# Allegro board pc065a_toplevel_49_modvia.brd (continued)
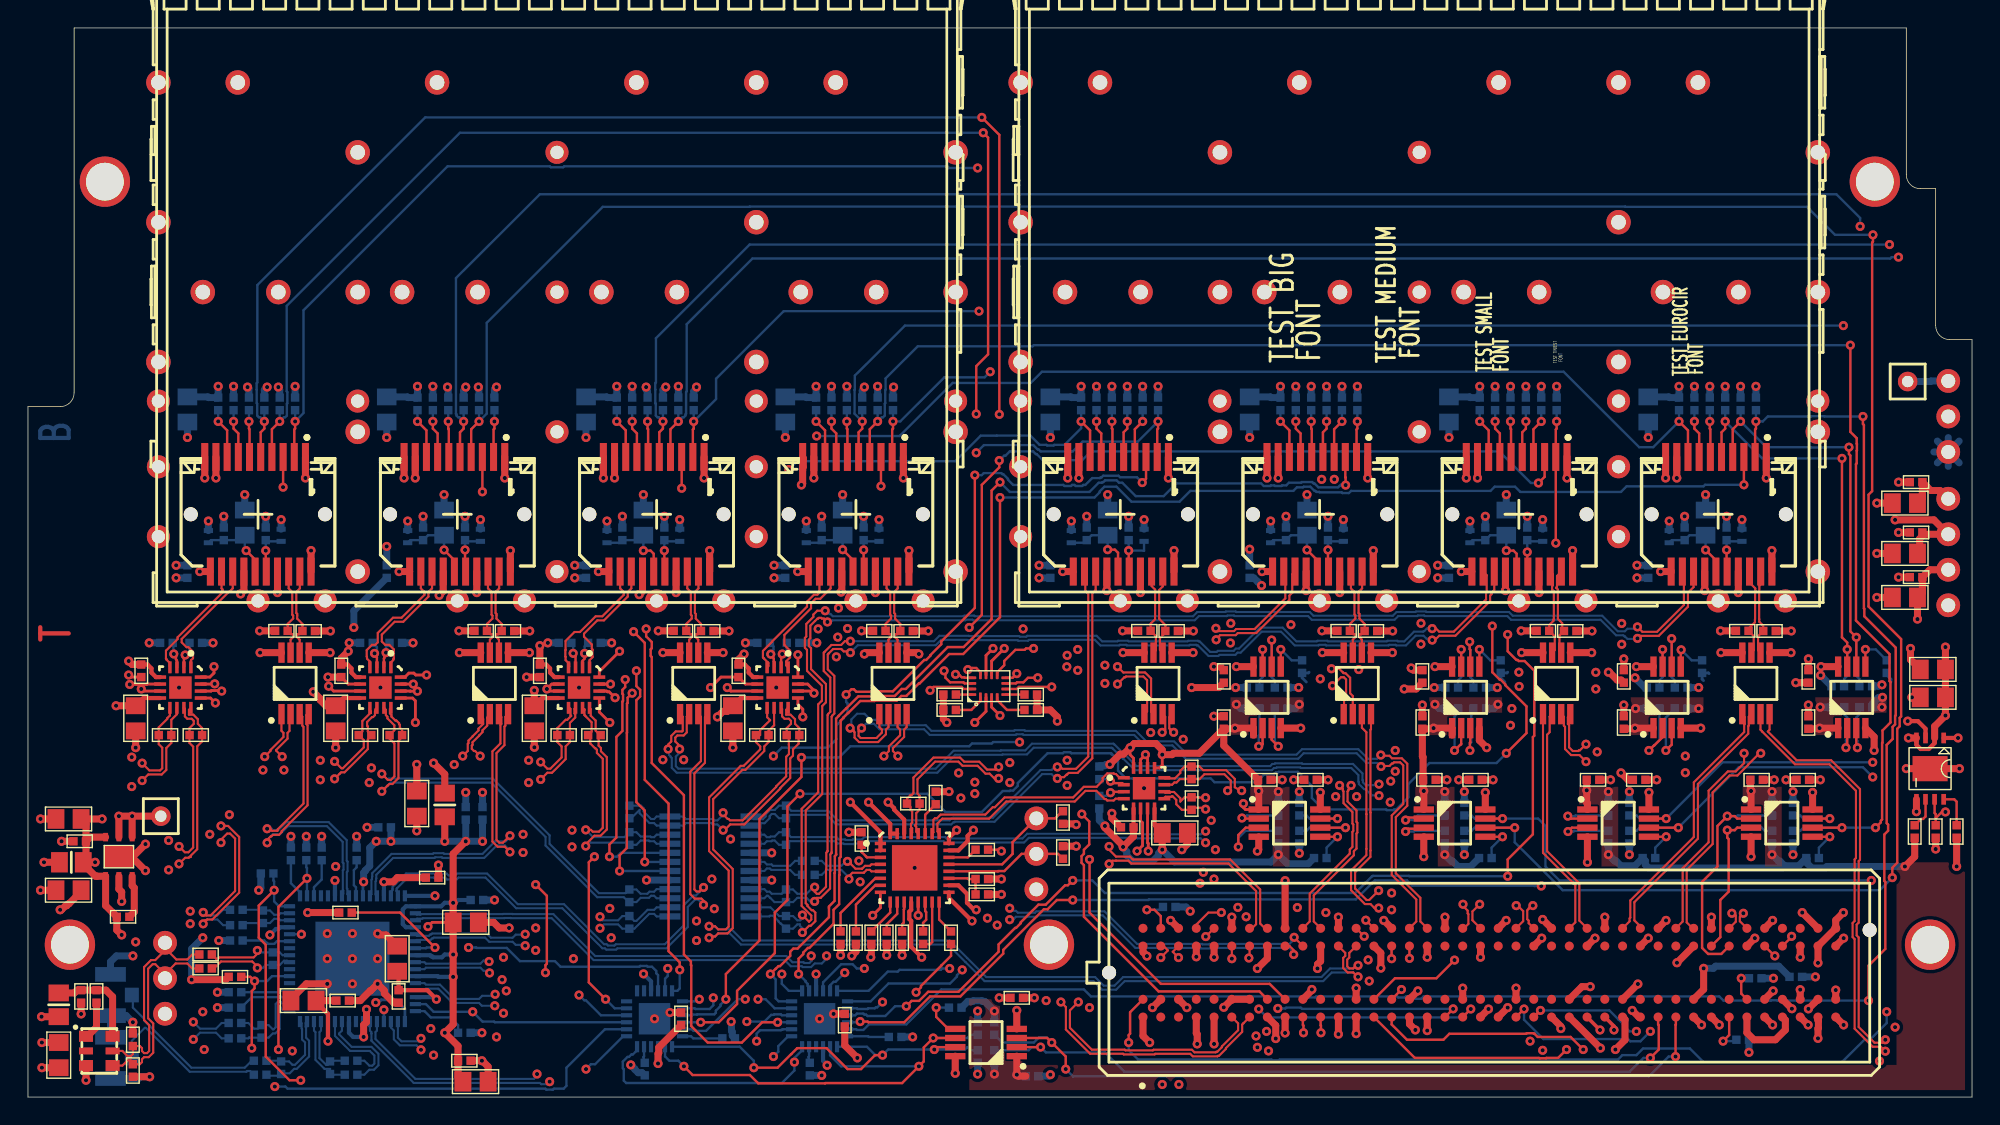
[diagram p0: board, top side]
## Library data of the parts
C1 C36 C38 C97 C98 = CAPCERSMDCL2: part number: CAPCERSMDCL2_0402-100NF_X7R,16V; tolerance: 10%
C2 C37 C39 = CAPCERSMDCL2: part number: CAPCERSMDCL2_0805-10UF,10V_GEN; tolerance: 10%
C3 C4 C6 C12 C16 C17 = CAPCERSMDCL2: part number: CAPCERSMDCL2_0805-10UF,10V_GEN; tolerance: 10%; room: CLOCK_MODULE
C5 C7 C9-C11 C13-C15 C18 C20-C30 = CAPCERSMDCL2: part number: CAPCERSMDCL2_0402-100NF_X7R,16V; tolerance: 10%; room: CLOCK_MODULE
C8 C19 = CAPCERSMDCL2: part number: CAPCERSMDCL2_0805-22UF,6.3V; tolerance: 15%; room: CLOCK_MODULE
C31 C33 C35 = CAPCERSMDCL2: part number: CAPCERSMDCL2_0402-100NF_X7R,16V; tolerance: 10%; room: SFP_0
C32 C34 = CAPCERSMDCL2: part number: CAPCERSMDCL2_0805-10UF,10V_GEN; tolerance: 10%; room: SFP_0
C40 C42 C44 = CAPCERSMDCL2: part number: CAPCERSMDCL2_0402-100NF_X7R,16V; tolerance: 10%; room: SFP_1
C41 C43 = CAPCERSMDCL2: part number: CAPCERSMDCL2_0805-10UF,10V_GEN; tolerance: 10%; room: SFP_1
C45 C47 C49 = CAPCERSMDCL2: part number: CAPCERSMDCL2_0402-100NF_X7R,16V; tolerance: 10%; room: SFP_2
C46 C48 = CAPCERSMDCL2: part number: CAPCERSMDCL2_0805-10UF,10V_GEN; tolerance: 10%; room: SFP_2
C50 C52 C54 = CAPCERSMDCL2: part number: CAPCERSMDCL2_0402-100NF_X7R,16V; tolerance: 10%; room: SFP_3
C51 C53 = CAPCERSMDCL2: part number: CAPCERSMDCL2_0805-10UF,10V_GEN; tolerance: 10%; room: SFP_3
C55 C56 = CAPCERSMDCL2: part number: CAPCERSMDCL2_0402-1UF,10V; tolerance: 10%; room: CDR
C57 = CAPCERSMDCL2: part number: CAPCERSMDCL2_0402-100NF_X7R,16V; tolerance: 10%; room: CDR
C58 = CAPCERSMDCL2: part number: CAPCERSMDCL2_0402-470NF,6.3V_GEN; tolerance: 10%; room: CDR
C59 C61 C63 = CAPCERSMDCL2: part number: CAPCERSMDCL2_0402-100NF_X7R,16V; tolerance: 10%; room: SFP_7
C60 C62 = CAPCERSMDCL2: part number: CAPCERSMDCL2_0805-10UF,10V_GEN; tolerance: 10%; room: SFP_7
C64 C66 C68 = CAPCERSMDCL2: part number: CAPCERSMDCL2_0402-100NF_X7R,16V; tolerance: 10%; room: SFP_6
C65 C67 = CAPCERSMDCL2: part number: CAPCERSMDCL2_0805-10UF,10V_GEN; tolerance: 10%; room: SFP_6
C69 C71 C73 = CAPCERSMDCL2: part number: CAPCERSMDCL2_0402-100NF_X7R,16V; tolerance: 10%; room: SFP_5
C70 C72 = CAPCERSMDCL2: part number: CAPCERSMDCL2_0805-10UF,10V_GEN; tolerance: 10%; room: SFP_5
C74 C76 C78 = CAPCERSMDCL2: part number: CAPCERSMDCL2_0402-100NF_X7R,16V; tolerance: 10%; room: SFP_4
C75 C77 = CAPCERSMDCL2: part number: CAPCERSMDCL2_0805-10UF,10V_GEN; tolerance: 10%; room: SFP_4
C79 C80 = CAPCERSMDCL2: part number: CAPCERSMDCL2_0402-100NF_X7R,16V; tolerance: 10%; room: I2C_TR_GEN
C81 C82 = CAPCERSMDCL2: part number: CAPCERSMDCL2_0402-100NF_X7R,16V; tolerance: 10%; room: I2C_TR_1
C83 C84 = CAPCERSMDCL2: part number: CAPCERSMDCL2_0402-100NF_X7R,16V; tolerance: 10%; room: I2C_TR_2
C85 C86 = CAPCERSMDCL2: part number: CAPCERSMDCL2_0402-100NF_X7R,16V; tolerance: 10%; room: I2C_TR_3
C87 C88 = CAPCERSMDCL2: part number: CAPCERSMDCL2_0402-100NF_X7R,16V; tolerance: 10%; room: I2C_TR_4
C89 C90 = CAPCERSMDCL2: part number: CAPCERSMDCL2_0402-100NF_X7R,16V; tolerance: 10%; room: I2C_TR_5
C91 C92 = CAPCERSMDCL2: part number: CAPCERSMDCL2_0402-100NF_X7R,16V; tolerance: 10%; room: I2C_TR_6
C93 C94 = CAPCERSMDCL2: part number: CAPCERSMDCL2_0402-100NF_X7R,16V; tolerance: 10%; room: I2C_TR_7
C95 C96 = CAPCERSMDCL2: part number: CAPCERSMDCL2_0402-100NF_X7R,16V; tolerance: 10%; room: I2C_TR_8
C99 C100 = CAPCERSMDCL2: part number: CAPCERSMDCL2_0805-10UF,10V_GEN; tolerance: 10%; room: P1V3_REG
C101 = CAPCERSMDCL2: part number: CAPCERSMDCL2_0402-100NF_X7R,16V; tolerance: 10%; room: P1V3_REG
C102 = CAPCERSMDCL2: part number: CAPCERSMDCL2_0402-100NF_X7R,16V; tolerance: 10%; room: BUFF_0
C103 = CAPCERSMDCL2: part number: CAPCERSMDCL2_0805-10UF,10V_GEN; tolerance: 10%; room: BUFF_0
C104 = CAPCERSMDCL2: part number: CAPCERSMDCL2_0402-100NF_X7R,16V; tolerance: 10%; room: BUFF_1
C105 = CAPCERSMDCL2: part number: CAPCERSMDCL2_0805-10UF,10V_GEN; tolerance: 10%; room: BUFF_1
C106 = CAPCERSMDCL2: part number: CAPCERSMDCL2_0402-100NF_X7R,16V; tolerance: 10%; room: BUFF_2
C107 = CAPCERSMDCL2: part number: CAPCERSMDCL2_0805-10UF,10V_GEN; tolerance: 10%; room: BUFF_2
C108 = CAPCERSMDCL2: part number: CAPCERSMDCL2_0402-100NF_X7R,16V; tolerance: 10%; room: BUFF_3
C109 = CAPCERSMDCL2: part number: CAPCERSMDCL2_0805-10UF,10V_GEN; tolerance: 10%; room: BUFF_3
C110 = CAPCERSMDCL2: part number: CAPCERSMDCL2_0402-100NF_X7R,16V; tolerance: 10%; room: BUF_CDR
C111 = CAPCERSMDCL2: part number: CAPCERSMDCL2_0805-10UF,10V_GEN; tolerance: 10%; room: BUF_CDR
IC3 = SI5395: part number: SI5395A-A-GM; room: CLOCK_MODULE
IC4 = SY58608U: part number: SY58608UMG; room: BUFF_0
IC5 = SY58608U: part number: SY58608UMG; room: BUFF_1
IC6 = SY58608U: part number: SY58608UMG; room: BUFF_2
IC7 = SY58608U: part number: SY58608UMG; room: BUFF_3
IC8 = 854S058I: part number: 854S058AGILF; room: CDR
IC9 = ADN2814: part number: ADN2814ACPZ; room: CDR
IC10 IC23 = TCA9539: part number: TCA9539AHF
IC11 = TCA9803: part number: TCA9803DGKR; room: I2C_TR_GEN
IC12 = TCA9803: part number: TCA9803DGKR; room: I2C_TR_1
IC13 = SY58608U: part number: SY58608UMG; room: BUF_CDR
IC14 = TCA9803: part number: TCA9803DGKR; room: I2C_TR_2
IC15 = TCA9803: part number: TCA9803DGKR; room: I2C_TR_3
IC16 = TCA9803: part number: TCA9803DGKR; room: I2C_TR_4
IC17 = TCA9803: part number: TCA9803DGKR; room: I2C_TR_5
IC18 = TCA9803: part number: TCA9803DGKR; room: I2C_TR_6
IC19 = TCA9803: part number: TCA9803DGKR; room: I2C_TR_7
IC20 = TCA9803: part number: TCA9803DGKR; room: I2C_TR_8
IC21 = 74AVC4T245_BRIS: part number: SN74AVC4T245RSVR_BRIS
J1 J39 = CON3P: part number: CON3P-MTLW-103-07-L-S-250
J5 = CON3P: part number: CON3P-MTLW-103-07-L-S-250; room: CLOCK_MODULE
J7 = CON20P_SFP: part number: CON20P_SFP-1888247-1; room: SFP_0
J10 = CON160P_40CDGH: part number: ASP-134606-01
J12 = CON20P_SFP: part number: CON20P_SFP-1888247-1; room: SFP_1
J16 = CON20P_SFP: part number: CON20P_SFP-1888247-1; room: SFP_2
J20 = CON20P_SFP: part number: CON20P_SFP-1888247-1; room: SFP_3
J24 = CON20P_SFP: part number: CON20P_SFP-1888247-1; room: SFP_7
J28 = CON20P_SFP: part number: CON20P_SFP-1888247-1; room: SFP_6
J32 = CON20P_SFP: part number: CON20P_SFP-1888247-1; room: SFP_5
J36 = CON20P_SFP: part number: CON20P_SFP-1888247-1; room: SFP_4
J40 = CON4P: part number: CON4P-MTLW-104-07-L-S-250
L1-L3 = INDUCTANCE: part number: INDUCTANCE_0805-0.10UH; tolerance: 20%; room: CLOCK_MODULE
L4 L5 = INDUCTANCE: part number: INDUCTANCE_0402HP-4.7NH_2%; tolerance: 2%; room: SFP_0
L6 L7 = INDUCTANCE: part number: INDUCTANCE_0402HP-4.7NH_2%; tolerance: 2%; room: SFP_1
L8 L9 = INDUCTANCE: part number: INDUCTANCE_0402HP-4.7NH_2%; tolerance: 2%; room: SFP_2
L10 L11 = INDUCTANCE: part number: INDUCTANCE_0402HP-4.7NH_2%; tolerance: 2%; room: SFP_3
L12 L13 = INDUCTANCE: part number: INDUCTANCE_0402HP-4.7NH_2%; tolerance: 2%; room: SFP_7
L14 L15 = INDUCTANCE: part number: INDUCTANCE_0402HP-4.7NH_2%; tolerance: 2%; room: SFP_6
L16 L17 = INDUCTANCE: part number: INDUCTANCE_0402HP-4.7NH_2%; tolerance: 2%; room: SFP_5
L18 L19 = INDUCTANCE: part number: INDUCTANCE_0402HP-4.7NH_2%; tolerance: 2%; room: SFP_4
PX1 PX2 = PCOAX: part number: PCOAX-U.FL-R-SMT-1(10)
QZ1 = DSC1123CI5: part number: DSC1123CI5-50.0000; room: CLOCK_MODULE
R2 R3 R6 R9-R12 R20 R21 = RSMD0402: part number: RSMD0402_1/16W-4.7K,1%; tolerance: 1%; room: CLOCK_MODULE
R4 R5 R7 R8 R18 R19 = RSMD0402: part number: RSMD0402_0.0625W-XX,1%; tolerance: 1%; room: CLOCK_MODULE
R13-R17 = RSMD0402: part number: RSMD0402_1/16W-100,1%; tolerance: 1%; room: CLOCK_MODULE
R22 R23 = RSMD0402: part number: RSMD0402_1/16W-51,1%; tolerance: 1%; room: SFP_0
R24-R29 = RSMD0402: part number: RSMD0402_1/16W-4.7K,1%; tolerance: 1%; room: SFP_0
R30-R32 R176-R181 R184 R185 = RSMD0402: part number: RSMD0402_1/16W-0R0,1%; tolerance: 1%
R33 R93 R94 = RSMD0402: part number: RSMD0402_0.0625W-XX,1%; tolerance: 1%
R34 R35 = RSMD0402: part number: RSMD0402_1/16W-51,1%; tolerance: 1%; room: SFP_1
R36-R41 = RSMD0402: part number: RSMD0402_1/16W-4.7K,1%; tolerance: 1%; room: SFP_1
R42 R43 = RSMD0402: part number: RSMD0402_1/16W-51,1%; tolerance: 1%; room: SFP_2
R44-R49 = RSMD0402: part number: RSMD0402_1/16W-4.7K,1%; tolerance: 1%; room: SFP_2
R50 R51 = RSMD0402: part number: RSMD0402_1/16W-51,1%; tolerance: 1%; room: SFP_3
R52-R57 = RSMD0402: part number: RSMD0402_1/16W-4.7K,1%; tolerance: 1%; room: SFP_3
R58 R59 = RSMD0402: part number: RSMD0402_0.0625W-XX,1%; tolerance: 1%; room: BUFF_0
R60 R61 = RSMD0402: part number: RSMD0402_1/16W-100,1%; tolerance: 1%; room: BUFF_0
R62 R63 = RSMD0402: part number: RSMD0402_0.0625W-XX,1%; tolerance: 1%; room: BUFF_1
R64 R65 = RSMD0402: part number: RSMD0402_1/16W-100,1%; tolerance: 1%; room: BUFF_1
R66 R67 = RSMD0402: part number: RSMD0402_0.0625W-XX,1%; tolerance: 1%; room: BUFF_2
R68 R69 = RSMD0402: part number: RSMD0402_1/16W-100,1%; tolerance: 1%; room: BUFF_2
R70 R71 = RSMD0402: part number: RSMD0402_0.0625W-XX,1%; tolerance: 1%; room: BUFF_3
R72 R73 = RSMD0402: part number: RSMD0402_1/16W-100,1%; tolerance: 1%; room: BUFF_3
R74-R81 = RSMD0402: part number: RSMD0402_1/16W-100,1%; tolerance: 1%; room: CDR
R82 R84-R88 R90 R91 = RSMD0402: part number: RSMD0402_1/16W-0R0,1%; tolerance: 1%; room: CDR
R83 R89 R92 = RSMD0402: part number: RSMD0402_0.0625W-XX,1%; tolerance: 1%; room: CDR
R95 R96 = RSMD0402: part number: RSMD0402_0.0625W-XX,1%; tolerance: 1%; room: BUF_CDR
R97 R98 = RSMD0402: part number: RSMD0402_1/16W-100,1%; tolerance: 1%; room: BUF_CDR
R99 R100 = RSMD0402: part number: RSMD0402_1/16W-51,1%; tolerance: 1%; room: SFP_7
R101-R106 = RSMD0402: part number: RSMD0402_1/16W-4.7K,1%; tolerance: 1%; room: SFP_7
R107 R108 = RSMD0402: part number: RSMD0402_1/16W-51,1%; tolerance: 1%; room: SFP_6
R109-R114 = RSMD0402: part number: RSMD0402_1/16W-4.7K,1%; tolerance: 1%; room: SFP_6
R115 R116 = RSMD0402: part number: RSMD0402_1/16W-51,1%; tolerance: 1%; room: SFP_5
R117-R122 = RSMD0402: part number: RSMD0402_1/16W-4.7K,1%; tolerance: 1%; room: SFP_5
R123 R124 = RSMD0402: part number: RSMD0402_1/16W-51,1%; tolerance: 1%; room: SFP_4
R125-R130 = RSMD0402: part number: RSMD0402_1/16W-4.7K,1%; tolerance: 1%; room: SFP_4
R131 R132 R134 R135 = RSMD0402: part number: RSMD0402_1/16W-4.7K,1%; tolerance: 1%; room: I2C_TR_GEN
R133 = RSMD0402: part number: RSMD0402_1/16W-0R0,1%; tolerance: 1%; room: I2C_TR_GEN
R136 R137 R139 R140 = RSMD0402: part number: RSMD0402_1/16W-4.7K,1%; tolerance: 1%; room: I2C_TR_1
R138 = RSMD0402: part number: RSMD0402_1/16W-0R0,1%; tolerance: 1%; room: I2C_TR_1
R141 R142 R144 R145 = RSMD0402: part number: RSMD0402_1/16W-4.7K,1%; tolerance: 1%; room: I2C_TR_2
R143 = RSMD0402: part number: RSMD0402_1/16W-0R0,1%; tolerance: 1%; room: I2C_TR_2
R146 R147 R149 R150 = RSMD0402: part number: RSMD0402_1/16W-4.7K,1%; tolerance: 1%; room: I2C_TR_3
R148 = RSMD0402: part number: RSMD0402_1/16W-0R0,1%; tolerance: 1%; room: I2C_TR_3
R151 R152 R154 R155 = RSMD0402: part number: RSMD0402_1/16W-4.7K,1%; tolerance: 1%; room: I2C_TR_4
R153 = RSMD0402: part number: RSMD0402_1/16W-0R0,1%; tolerance: 1%; room: I2C_TR_4
R156 R157 R159 R160 = RSMD0402: part number: RSMD0402_1/16W-4.7K,1%; tolerance: 1%; room: I2C_TR_5
R158 = RSMD0402: part number: RSMD0402_1/16W-0R0,1%; tolerance: 1%; room: I2C_TR_5
R161 R162 R164 R165 = RSMD0402: part number: RSMD0402_1/16W-4.7K,1%; tolerance: 1%; room: I2C_TR_6
R163 = RSMD0402: part number: RSMD0402_1/16W-0R0,1%; tolerance: 1%; room: I2C_TR_6
R166 R167 R169 R170 = RSMD0402: part number: RSMD0402_1/16W-4.7K,1%; tolerance: 1%; room: I2C_TR_7
R168 = RSMD0402: part number: RSMD0402_1/16W-0R0,1%; tolerance: 1%; room: I2C_TR_7
R171 R172 R174 R175 = RSMD0402: part number: RSMD0402_1/16W-4.7K,1%; tolerance: 1%; room: I2C_TR_8
R173 = RSMD0402: part number: RSMD0402_1/16W-0R0,1%; tolerance: 1%; room: I2C_TR_8
R182 = RSMD0402: part number: RSMD0402_1/16W-100K,1%; tolerance: 1%; room: P1V3_REG
R183 = RSMD0402: part number: RSMD0402_1/16W-0R0,1%; tolerance: 1%; room: P1V3_REG
SFP1 SFP2 = SFP_CAGE_X4: part number: TYCO_2007132
TP1 = TP: part number: TP_HOLE-0.8MM; room: CLOCK_MODULE
TP10 = TP: part number: TP_HOLE-0.8MM
U2 = LP38692SD: part number: LP38692SD_WSON-1.8V,TEXAS INSTRUMENTS; room: CLOCK_MODULE
U3 = MAX9381_UMAX: room: SFP_0
U4 = MAX9381_UMAX: room: SFP_1
U5 = MAX9381_UMAX: room: SFP_2
U6 = MAX9381_UMAX: room: SFP_3
U7 = MAX9381_UMAX: room: SFP_7
U8 = MAX9381_UMAX: room: SFP_6
U9 = MAX9381_UMAX: room: SFP_5
U10 = MAX9381_UMAX: room: SFP_4
U11 = MP20075_REG: room: P1V3_REG

## Footprints (pads in the part's own frame, mm; a bottom-side part is the same pattern mirrored in y, then rotated)
C0402
  rect 0.6x0.6 smd: 1(-0.45,0) 2(0.45,0)
C0805
  rect 1.2x1.4 smd: 1(-0.9,0) 2(0.9,0)
HIROSE_U-FL-R-SMT-1_10
  rect 1.05x1 smd: 1(0,1.525)
  rect 1.05x2.2 smd: 2(-1.475,0) 3(1.475,0)
INDC2012X105N
  rect 1.2x1.45 smd: 1(-0.85,0) 2(0.85,0)
INDC_0402HP
  rect 0.356x0.66 smd: 1(-0.435,0) 2(0.435,0)
MSOP-THERM
  rect 0.762x0.33 smd: 1(-2.195,0.975) 2(-2.195,0.325) 3(-2.195,-0.325) 4(-2.195,-0.975) 5(2.195,-0.975) 6(2.195,-0.325) 7(2.195,0.325) 8(2.195,0.975)
  rect 1.8x2.5 smd: 9(0,0)
OSCSC105P250X320X180-6N
  rect 1x0.8 smd: 1(-0.95,1.05) 3(-0.95,-1.05) 4(0.95,-1.05) 6(0.95,1.05)
  rect 1x0.5 smd: 2(-0.95,0) 5(0.95,0)
QFN50P300X300X90-17N-S160
  rect 0.85x0.25 smd: 1(-1.45,0.75) 2(-1.45,0.25) 3(-1.45,-0.25) 4(-1.45,-0.75) 9(1.45,-0.75) 10(1.45,-0.25) 11(1.45,0.25) 12(1.45,0.75)
  rect 0.25x0.85 smd: 5(-0.75,-1.45) 6(-0.25,-1.45) 7(0.25,-1.45) 8(0.75,-1.45) 13(0.75,1.45) 14(0.25,1.45) 15(-0.25,1.45) 16(-0.75,1.45)
  rect 1.6x1.6 smd: 17(0,0)
QFN50P400X400X80-25N-S225
  rect 0.8x0.3 smd: 1(-2,1.25) 2(-2,0.75) 3(-2,0.25) 4(-2,-0.25) 5(-2,-0.75) 6(-2,-1.25) 13(2,-1.25) 14(2,-0.75) 15(2,-0.25) 16(2,0.25) 17(2,0.75) 18(2,1.25)
  rect 0.3x0.8 smd: 7(-1.25,-2) 8(-0.75,-2) 9(-0.25,-2) 10(0.25,-2) 11(0.75,-2) 12(1.25,-2) 19(1.25,2) 20(0.75,2) 21(0.25,2) 22(-0.25,2) 23(-0.75,2) 24(-1.25,2)
  rect 2.25x2.25 smd: 25(0,0)
QFN50P500X500X100-33N-S325
  rect 0.8x0.25 smd: 1(-2.45,1.75) 2(-2.45,1.25) 3(-2.45,0.75) 4(-2.45,0.25) 5(-2.45,-0.25) 6(-2.45,-0.75) 7(-2.45,-1.25) 8(-2.45,-1.75) 17(2.45,-1.75) 18(2.45,-1.25) 19(2.45,-0.75) 20(2.45,-0.25) 21(2.45,0.25) 22(2.45,0.75) 23(2.45,1.25) 24(2.45,1.75)
  rect 0.25x0.8 smd: 9(-1.75,-2.45) 10(-1.25,-2.45) 11(-0.75,-2.45) 12(-0.25,-2.45) 13(0.25,-2.45) 14(0.75,-2.45) 15(1.25,-2.45) 16(1.75,-2.45) 25(1.75,2.45) 26(1.25,2.45) 27(0.75,2.45) 28(0.25,2.45) 29(-0.25,2.45) 30(-0.75,2.45) 31(-1.25,2.45) 32(-1.75,2.45)
  rect 3.25x3.25 smd: 33(0,0)
QFN50P900X900X90-65N-S530
  rect 0.8x0.3 smd: 1(-4.5,3.75) 2(-4.5,3.25) 3(-4.5,2.75) 4(-4.5,2.25) 5(-4.5,1.75) 6(-4.5,1.25) 7(-4.5,0.75) 8(-4.5,0.25) 9(-4.5,-0.25) 10(-4.5,-0.75) 11(-4.5,-1.25) 12(-4.5,-1.75) 13(-4.5,-2.25) 14(-4.5,-2.75) 15(-4.5,-3.25) 16(-4.5,-3.75) 33(4.5,-3.75) 34(4.5,-3.25) 35(4.5,-2.75) 36(4.5,-2.25) 37(4.5,-1.75) 38(4.5,-1.25) 39(4.5,-0.75) 40(4.5,-0.25) 41(4.5,0.25) 42(4.5,0.75) 43(4.5,1.25) 44(4.5,1.75) 45(4.5,2.25) 46(4.5,2.75) 47(4.5,3.25) 48(4.5,3.75)
  rect 0.3x0.8 smd: 17(-3.75,-4.5) 18(-3.25,-4.5) 19(-2.75,-4.5) 20(-2.25,-4.5) 21(-1.75,-4.5) 22(-1.25,-4.5) 23(-0.75,-4.5) 24(-0.25,-4.5) 25(0.25,-4.5) 26(0.75,-4.5) 27(1.25,-4.5) 28(1.75,-4.5) 29(2.25,-4.5) 30(2.75,-4.5) 31(3.25,-4.5) 32(3.75,-4.5) 49(3.75,4.5) 50(3.25,4.5) 51(2.75,4.5) 52(2.25,4.5) 53(1.75,4.5) 54(1.25,4.5) 55(0.75,4.5) 56(0.25,4.5) 57(-0.25,4.5) 58(-0.75,4.5) 59(-1.25,4.5) 60(-1.75,4.5) 61(-2.25,4.5) 62(-2.75,4.5) 63(-3.25,4.5) 64(-3.75,4.5)
  rect 5.3x5.3 smd: 65(0,0)
SAMTEC_ASP-134606-01
  round 1.001 hole 1.3 unplated: (-27.19,-3.05) (27.19,0)
  round 0.64 smd: C1(24.765,3.175) C2(23.495,3.175) C3(22.225,3.175) C4(20.955,3.175) C5(19.685,3.175) C6(18.415,3.175) C7(17.145,3.175) C8(15.875,3.175) C9(14.605,3.175) C10(13.335,3.175) C11(12.065,3.175) C12(10.795,3.175) C13(9.525,3.175) C14(8.255,3.175) C15(6.985,3.175) C16(5.715,3.175) C17(4.445,3.175) C18(3.175,3.175) C19(1.905,3.175) C20(0.635,3.175) C21(-0.635,3.175) C22(-1.905,3.175) C23(-3.175,3.175) C24(-4.445,3.175) C25(-5.715,3.175) C26(-6.985,3.175) C27(-8.255,3.175) C28(-9.525,3.175) C29(-10.795,3.175) C30(-12.065,3.175) C31(-13.335,3.175) C32(-14.605,3.175) C33(-15.875,3.175) C34(-17.145,3.175) C35(-18.415,3.175) C36(-19.685,3.175) C37(-20.955,3.175) C38(-22.225,3.175) C39(-23.495,3.175) C40(-24.765,3.175) D1(24.765,1.905) D2(23.495,1.905) D3(22.225,1.905) D4(20.955,1.905) D5(19.685,1.905) D6(18.415,1.905) D7(17.145,1.905) D8(15.875,1.905) D9(14.605,1.905) D10(13.335,1.905) D11(12.065,1.905) D12(10.795,1.905) D13(9.525,1.905) D14(8.255,1.905) D15(6.985,1.905) D16(5.715,1.905) D17(4.445,1.905) D18(3.175,1.905) D19(1.905,1.905) D20(0.635,1.905) D21(-0.635,1.905) D22(-1.905,1.905) D23(-3.175,1.905) D24(-4.445,1.905) D25(-5.715,1.905) D26(-6.985,1.905) D27(-8.255,1.905) D28(-9.525,1.905) D29(-10.795,1.905) D30(-12.065,1.905) D31(-13.335,1.905) D32(-14.605,1.905) D33(-15.875,1.905) D34(-17.145,1.905) D35(-18.415,1.905) D36(-19.685,1.905) D37(-20.955,1.905) D38(-22.225,1.905) D39(-23.495,1.905) D40(-24.765,1.905) G1(24.765,-1.905) G2(23.495,-1.905) G3(22.225,-1.905) G4(20.955,-1.905) G5(19.685,-1.905) G6(18.415,-1.905) G7(17.145,-1.905) G8(15.875,-1.905) G9(14.605,-1.905) G10(13.335,-1.905) G11(12.065,-1.905) G12(10.795,-1.905) G13(9.525,-1.905) G14(8.255,-1.905) G15(6.985,-1.905) G16(5.715,-1.905) G17(4.445,-1.905) G18(3.175,-1.905) G19(1.905,-1.905) G20(0.635,-1.905) G21(-0.635,-1.905) G22(-1.905,-1.905) G23(-3.175,-1.905) G24(-4.445,-1.905) G25(-5.715,-1.905) G26(-6.985,-1.905) G27(-8.255,-1.905) G28(-9.525,-1.905) G29(-10.795,-1.905) G30(-12.065,-1.905) G31(-13.335,-1.905) G32(-14.605,-1.905) G33(-15.875,-1.905) G34(-17.145,-1.905) G35(-18.415,-1.905) G36(-19.685,-1.905) G37(-20.955,-1.905) G38(-22.225,-1.905) G39(-23.495,-1.905) G40(-24.765,-1.905) H1(24.765,-3.175) H2(23.495,-3.175) H3(22.225,-3.175) H4(20.955,-3.175) H5(19.685,-3.175) H6(18.415,-3.175) H7(17.145,-3.175) H8(15.875,-3.175) H9(14.605,-3.175) H10(13.335,-3.175) H11(12.065,-3.175) H12(10.795,-3.175) H13(9.525,-3.175) H14(8.255,-3.175) H15(6.985,-3.175) H16(5.715,-3.175) H17(4.445,-3.175) H18(3.175,-3.175) H19(1.905,-3.175) H20(0.635,-3.175) H21(-0.635,-3.175) H22(-1.905,-3.175) H23(-3.175,-3.175) H24(-4.445,-3.175) H25(-5.715,-3.175) H26(-6.985,-3.175) H27(-8.255,-3.175) H28(-9.525,-3.175) H29(-10.795,-3.175) H30(-12.065,-3.175) H31(-13.335,-3.175) H32(-14.605,-3.175) H33(-15.875,-3.175) H34(-17.145,-3.175) H35(-18.415,-3.175) H36(-19.685,-3.175) H37(-20.955,-3.175) H38(-22.225,-3.175) H39(-23.495,-3.175) H40(-24.765,-3.175)
SAMTEC_MTLW-103-07-L-S-250
  round 1.7 hole 1: 1(-2.54,0) 2(0,0) 3(2.54,0)
SAMTEC_MTLW-104-07-L-S-250
  round 1.7 hole 1: 1(-3.81,0) 2(-1.27,0) 3(1.27,0) 4(3.81,0)
SOP65P490X110-8N
  rect 1.45x0.45 smd: 1(-2.2,0.975) 2(-2.2,0.325) 3(-2.2,-0.325) 4(-2.2,-0.975) 5(2.2,-0.975) 6(2.2,-0.325) 7(2.2,0.325) 8(2.2,0.975)
SOP65P640X120-24N
  rect 1.5x0.45 smd: 1(-2.9,3.575) 2(-2.9,2.925) 3(-2.9,2.275) 4(-2.9,1.625) 5(-2.9,0.975) 6(-2.9,0.325) 7(-2.9,-0.325) 8(-2.9,-0.975) 9(-2.9,-1.625) 10(-2.9,-2.275) 11(-2.9,-2.925) 12(-2.9,-3.575) 13(2.9,-3.575) 14(2.9,-2.925) 15(2.9,-2.275) 16(2.9,-1.625) 17(2.9,-0.975) 18(2.9,-0.325) 19(2.9,0.325) 20(2.9,0.975) 21(2.9,1.625) 22(2.9,2.275) 23(2.9,2.925) 24(2.9,3.575)
TP_HOLE_08
  round 1.397 hole 0.813: 1(0,0)
TYCO_1888247-1
  round 1 hole 1.55 unplated: (0,4.8) (0,-4.8)
  rect 2x0.5 smd: 1(-4.1,3.4) 2(-4.1,2.6) 3(-4.1,1.8) 4(-4.1,1) 5(-4.1,0.2) 6(-4.1,-0.6) 7(-4.1,-1.4) 8(-4.1,-2.2) 9(-4.1,-3) 10(-4.1,-3.8) 11(4.1,-3.4) 12(4.1,-2.6) 13(4.1,-1.8) 14(4.1,-1) 15(4.1,-0.2) 16(4.1,0.6) 17(4.1,1.4) 18(4.1,2.2) 19(4.1,3) 20(4.1,3.8)
TYCO_2007132
  round 1.75 hole 1.05: 1(-30.9,-49.875) 2(-30.9,-44.2) 3(-30.9,-29.95) 4(-30.9,-15.7) 5(-30.9,-7.125) 6(-30.9,-1.45) 7(-25.9,-35.625) 9(-25.9,7.125) 10(-20.9,-49.875) 11(-20.9,-7.125) 12(-15.9,-46.7) 13(-15.9,-41.3) 14(-15.9,-35.625) 15(-15.9,-32.45) 16(-15.9,-27.05) 18(-15.9,-18.2) 19(-15.9,-12.8) 20(-15.9,-3.95) 21(-15.9,1.45) 22(-15.9,7.125) 24(-10.9,-49.875) 27(-10.9,-7.125) 30(-5.9,-35.625) 33(-5.9,7.125) 38(4.1,-35.625) 46(4.1,7.125)
  round 1.65 hole 0.95: 8(-25.9,-21.375) 17(-15.9,-21.375) 23(-8.1,-49.875) 25(-8.1,-35.625) 26(-8.1,-7.125) 28(-8.1,7.125) 29(-3.4,-49.875) 31(-5.9,-21.375) 32(-3.4,-7.125) 34(1.6,-49.875) 35(1.6,-7.125) 36(6.2,-42.75) 37(6.2,-37.95) 39(6.2,-28.5) 40(4.1,-21.375) 41(6.2,-23.7) 42(6.2,-14.25) 43(6.2,-9.45) 44(6.2,0) 45(6.2,4.8)
  round 0 smd: NC(-17.517,-21.25)
unnamed
  round 3.6 hole 2.7: 1(0,0)
UQFN_16PIN
  rrect 0.7x0.2 smd: 1(-0.8,0.6)
  rrect 0.6x0.2 smd: 2(-0.8,0.2) 3(-0.8,-0.2) 4(-0.8,-0.6) 9(0.8,-0.6) 10(0.8,-0.2) 11(0.8,0.2) 12(0.8,0.6)
  rrect 0.2x0.6 smd: 5(-0.6,-1.2) 6(-0.2,-1.2) 7(0.2,-1.2) 8(0.6,-1.2) 13(0.6,1.2) 14(0.2,1.2) 15(-0.2,1.2) 16(-0.6,1.2)
WSON6
  rect 0.6x0.35 smd: 1(-1.4,0.95) 2(-1.4,0) 3(-1.4,-0.95) 4(1.4,-0.95) 5(1.4,0) 6(1.4,0.95)
  rect 1.6x2.1 smd: 7(0,0)

## Nets
GND: C1.1 C2.1 C3.1 C4.1 C5.1 C6.1 C7.1 C8.1 C9.1 C10.1 C11.1 C12.1 C13.1 C14.1 C15.1 C16.1 C17.1 C18.1 C19.1 C20.1 C31.1 C32.1 C33.1 C34.1 C35.1 C36.1 C37.1 C38.1 C39.1 C40.1 C41.1 C42.1 C43.1 C44.1 C45.1 C46.1 C47.1 C48.1 C49.1 C50.1 C51.1 C52.1 C53.1 C54.1 C57.2(B<0>) C59.1 C60.1 C61.1 C62.1 C63.1 C64.1 C65.1 C66.1 C67.1 C68.1 C69.1 C70.1 C71.1 C72.1 C73.1 C74.1 C75.1 C76.1 C77.1 C78.1 C79.1 C80.1 C81.1 C82.1 C83.1 C84.1 C85.1 C86.1 C87.1 C88.1 C89.1 C90.1 C91.1 C92.1 C93.1 C94.1 C95.1 C96.1 C97.1 C98.1 C99.1 C100.1 C101.1 C102.1 C103.1 C104.1 C105.1 C106.1 C107.1 C108.1 C109.1 C110.1 C111.1 IC3.65 IC4.6 IC4.7 IC4.14 IC4.15 IC4.17 IC5.6 IC5.7 IC5.14 IC5.15 IC5.17 IC6.6 IC6.7 IC6.14 IC6.15 IC6.17 IC7.6 IC7.7 IC7.14 IC7.15 IC7.17 IC8.17 IC9.8 IC9.13 IC9.17 IC9.23 IC9.30 IC9.33 IC10.9 IC10.25 IC11.4 IC12.4 IC13.6 IC13.7 IC13.14 IC13.15 IC13.17 IC14.4 IC15.4 IC16.4 IC17.4 IC18.4 IC19.4 IC20.4 IC21.10 IC21.11 IC23.9 IC23.25 J1.1 J5.1 J7.1 J7.9 J7.10 J7.11 J7.14 J7.17 J7.20(VEET3) J10.C1 J10.C4 J10.C5 J10.C8 J10.C9 J10.C12 J10.C13 J10.C16 J10.C17 J10.C20 J10.C21 J10.C24 J10.C25 J10.C28 J10.C29 J10.C32 J10.C33 J10.C36 J10.C38 J10.C40 J10.D2 J10.D3 J10.D6 J10.D7 J10.D10 J10.D13 J10.D16 J10.D19 J10.D22 J10.D25 J10.D28 J10.D37 J10.D39 J10.G1 J10.G4 J10.G5 J10.G8 J10.G11 J10.G14 J10.G17 J10.G20 J10.G23 J10.G26 J10.G29 J10.G32 J10.G35 J10.G38 J10.G40 J10.H3 J10.H6 J10.H9(H<9>) J10.H12 J10.H15 J10.H18 J10.H21 J10.H24 J10.H27 J10.H30 J10.H33 J10.H36 J10.H39 J12.1 J12.9 J12.10 J12.11 J12.14 J12.17 J12.20(VEET3) J16.1 J16.9 J16.10 J16.11 J16.14 J16.17 J16.20(VEET3) J20.1 J20.9 J20.10 J20.11 J20.14 J20.17 J20.20(VEET3) J24.1 J24.9 J24.10 J24.11 J24.14 J24.17 J24.20(VEET3) J28.1 J28.9 J28.10 J28.11 J28.14 J28.17 J28.20(VEET3) J32.1 J32.9 J32.10 J32.11 J32.14 J32.17 J32.20(VEET3) J36.1 J36.9 J36.10 J36.11 J36.14 J36.17 J36.20(VEET3) J40.1 PX1.2 PX1.3 PX2.2 PX2.3 QZ1.3 R4.1 R5.1 R10.1 R11.1 R12.1 R18.1 R19.1 R20.1 R21.1 R30.1 R31.1 R32.1 R83.1 R85.1 R86.1 R87.1 R88.1 R90.2(B<0>) R177.1 R179.1 R181.1 R184.1 R185.1 SFP1.1 SFP1.2 SFP1.3 SFP1.4 SFP1.5 SFP1.6 SFP1.7 SFP1.8 SFP1.9 SFP1.10 SFP1.11 SFP1.12 SFP1.13 SFP1.14 SFP1.15 SFP1.16 SFP1.17 SFP1.18 SFP1.19 SFP1.20 SFP1.21 SFP1.22 SFP1.23 SFP1.24 SFP1.25 SFP1.26 SFP1.27 SFP1.28 SFP1.29 SFP1.30 SFP1.31 SFP1.32 SFP1.33 SFP1.34 SFP1.35 SFP1.36 SFP1.37 SFP1.38 SFP1.39 SFP1.40 SFP1.41 SFP1.42 SFP1.43 SFP1.44 SFP1.45 SFP1.46 SFP2.1 SFP2.2 SFP2.3 SFP2.4 SFP2.5 SFP2.6 SFP2.7 SFP2.8 SFP2.9 SFP2.10 SFP2.11 SFP2.12 SFP2.13 SFP2.14 SFP2.15 SFP2.16 SFP2.17 SFP2.18 SFP2.19 SFP2.20 SFP2.21 SFP2.22 SFP2.23 SFP2.24 SFP2.25 SFP2.26 SFP2.27 SFP2.28 SFP2.29 SFP2.30 SFP2.31 SFP2.32 SFP2.33 SFP2.34 SFP2.35 SFP2.36 SFP2.37 SFP2.38 SFP2.39 SFP2.40 SFP2.41 SFP2.42 SFP2.43 SFP2.44 SFP2.45 SFP2.46 U2.2 U2.7 U3.5 U4.5 U5.5 U6.5 U7.5 U8.5 U9.5 U10.5 U11.3 U11.9
P1V3: C36.2(B<0>) C37.2(B<0>) C99.2(B<0>) C100.2(B<0>) J40.2 R22.2(B<0>) R23.2(B<0>) R34.2(B<0>) R35.2(B<0>) R42.2(B<0>) R43.2(B<0>) R50.2(B<0>) R51.2(B<0>) R99.2(B<0>) R100.2(B<0>) R107.2(B<0>) R108.2(B<0>) R115.2(B<0>) R116.2(B<0>) R123.2(B<0>) R124.2(B<0>) U11.2 U11.4(VTTSEN)
P1V8A: C16.2(B<0>) C18.2(B<0>) C19.2(B<0>) C20.2(B<0>) IC3.32 IC3.46 IC3.60 TP1.1(A<0>) U2.4 U2.5(SNS)
P2V5: C38.2(B<0>) C39.2(B<0>) C79.2(B<0>) C81.2(B<0>) C83.2(B<0>) C85.2(B<0>) C87.2(B<0>) C89.2(B<0>) C91.2(B<0>) C93.2(B<0>) C95.2(B<0>) C102.2(B<0>) C103.2(B<0>) C104.2(B<0>) C105.2(B<0>) C106.2(B<0>) C107.2(B<0>) C108.2(B<0>) C109.2(B<0>) C110.2(B<0>) C111.2(B<0>) IC4.5 IC4.8 IC4.13 IC4.16 IC5.5 IC5.8 IC5.13 IC5.16 IC6.5 IC6.8 IC6.13 IC6.16 IC7.5 IC7.8 IC7.13 IC7.16 IC11.1 IC12.1 IC13.5 IC13.8 IC13.13 IC13.16 IC14.1 IC15.1 IC16.1 IC17.1 IC18.1 IC19.1 IC20.1 IC21.3 J39.2 J40.3 R58.1 R59.1 R62.1 R63.1 R66.1 R67.1 R70.1 R71.1 R95.1 R96.1 R131.2(B<0>) R132.2(B<0>) R133.1 R136.2(B<0>) R137.2(B<0>) R138.1 R141.2(B<0>) R142.2(B<0>) R143.1 R146.2(B<0>) R147.2(B<0>) R148.1 R151.2(B<0>) R152.2(B<0>) R153.1 R156.2(B<0>) R157.2(B<0>) R158.1 R161.2(B<0>) R162.2(B<0>) R163.1 R166.2(B<0>) R167.2(B<0>) R168.1 R171.2(B<0>) R172.2(B<0>) R173.1 R183.1
P3V3: C1.2(B<0>) C2.2(B<0>) C3.2(B<0>) C4.2(B<0>) C6.2(B<0>) C31.2(B<0>) C32.2(B<0>) C40.2(B<0>) C41.2(B<0>) C45.2(B<0>) C46.2(B<0>) C50.2(B<0>) C51.2(B<0>) C59.2(B<0>) C60.2(B<0>) C64.2(B<0>) C65.2(B<0>) C69.2(B<0>) C70.2(B<0>) C74.2(B<0>) C75.2(B<0>) C80.2(B<0>) C82.2(B<0>) C84.2(B<0>) C86.2(B<0>) C88.2(B<0>) C90.2(B<0>) C92.2(B<0>) C94.2(B<0>) C96.2(B<0>) C97.2(B<0>) C98.2(B<0>) IC8.5 IC8.20 IC9.1 IC9.2 IC9.12 IC9.18 IC9.24 IC9.31 IC9.32 IC10.21 IC11.8(VCCB) IC12.8(VCCB) IC14.8(VCCB) IC15.8(VCCB) IC16.8(VCCB) IC17.8(VCCB) IC18.8(VCCB) IC19.8(VCCB) IC20.8(VCCB) IC21.2 IC23.21 J10.C39 J10.D36 J10.D38 J10.D40 J40.4(A<3>) L1.1 L2.1 L3.1 L4.1 L5.2(B<0>) L6.1 L7.2(B<0>) L8.1 L9.2(B<0>) L10.1 L11.2(B<0>) L12.1 L13.2(B<0>) L14.1 L15.2(B<0>) L16.1 L17.2(B<0>) L18.1 L19.2(B<0>) R24.1 R25.1 R26.2(B<0>) R27.2(B<0>) R28.2(B<0>) R29.2(B<0>) R33.2(B<0>) R36.1 R37.1 R38.2(B<0>) R39.2(B<0>) R40.2(B<0>) R41.2(B<0>) R44.1 R45.1 R46.2(B<0>) R47.2(B<0>) R48.2(B<0>) R49.2(B<0>) R52.1 R53.1 R54.2(B<0>) R55.2(B<0>) R56.2(B<0>) R57.2(B<0>) R82.1 R84.1 R93.2(B<0>) R94.2(B<0>) R101.1 R102.1 R103.2(B<0>) R104.2(B<0>) R105.2(B<0>) R106.2(B<0>) R109.1 R110.1 R111.2(B<0>) R112.2(B<0>) R113.2(B<0>) R114.2(B<0>) R117.1 R118.1 R119.2(B<0>) R120.2(B<0>) R121.2(B<0>) R122.2(B<0>) R125.1 R126.1 R127.2(B<0>) R128.2(B<0>) R129.2(B<0>) R130.2(B<0>) R134.2(B<0>) R135.2(B<0>) R139.2(B<0>) R140.2(B<0>) R144.2(B<0>) R145.2(B<0>) R149.2(B<0>) R150.2(B<0>) R154.2(B<0>) R155.2(B<0>) R159.2(B<0>) R160.2(B<0>) R164.2(B<0>) R165.2(B<0>) R169.2(B<0>) R170.2(B<0>) R174.2(B<0>) R175.2(B<0>) R176.2(B<0>) R178.2(B<0>) R180.1 R182.1 U3.8 U4.8 U5.8 U6.8 U7.8 U8.8 U9.8 U10.8 U11.1 U11.5
P3V3A: C5.2(B<0>) C8.2(B<0>) IC3.13 L1.2(B<0>) R2.1 R6.1 R7.1 R8.1 R9.1 U2.1 U2.6
P3V3B: C7.2(B<0>) C9.2(B<0>) C11.2(B<0>) C12.2(B<0>) C13.2(B<0>) C14.2(B<0>) C15.2(B<0>) C17.2(B<0>) IC3.22 IC3.26 IC3.29 IC3.33 IC3.36 IC3.40 IC3.43 IC3.49 IC3.52 IC3.57 L2.2(B<0>)
P3V3C: C10.2(B<0>) L3.2(B<0>) QZ1.6 R3.1
P12V: J10.C35 J10.C37
3P3VAUX: J10.D32 R33.1
CDR_CLK_N: IC9.25 IC13.4
CDR_CLK_P: IC9.26 IC13.1
CDR_D_N: IC9.28 J10.C7 R92.2(B<0>)
CDR_D_P: IC9.29 J10.C6 R92.1
CDR_IN_N: C55.2(B<0>) IC9.5
CDR_IN_P: C56.2(B<0>) IC9.4
CDR_LOL: IC23.4 R91.2(B<0>)
CDR_LOS: IC23.5 R89.1
CLK_IN_N<0>: C22.2(B<0>) PX2.1(A)
CLK_IN_N<1>: C24.2(B<0>) J10.G7
CLK_IN_N<2>: C26.2(B<0>) IC13.9 R98.1
CLK_IN_N<3>: C28.2(B<0>) IC3.58
CLK_IN_P<0>: C21.2(B<0>) PX1.1(A)
CLK_IN_P<1>: C23.2(B<0>) J10.G6
CLK_IN_P<2>: C25.2(B<0>) IC13.10 R98.2(B<0>)
CLK_IN_P<3>: C27.2(B<0>) IC3.59
CLK_INTR_B: IC3.12 IC23.2
CLK_LOL_B: IC3.47 IC23.3
CLK_MAIN_N<0>: IC3.23 U3.4
CLK_MAIN_N<1>: IC3.27 U4.4
CLK_MAIN_N<2>: IC3.30 U5.4
CLK_MAIN_N<3>: IC3.34 U6.4
CLK_MAIN_N<4>: IC3.37 U10.4
CLK_MAIN_N<5>: IC3.41 U9.4
CLK_MAIN_N<6>: IC3.44 U8.4
CLK_MAIN_N<7>: IC3.50 U7.4
CLK_MAIN_N<8>: IC3.53 J10.G3
CLK_MAIN_P<0>: IC3.24 U3.3
CLK_MAIN_P<1>: IC3.28 U4.3
CLK_MAIN_P<2>: IC3.31 U5.3
CLK_MAIN_P<3>: IC3.35 U6.3
CLK_MAIN_P<4>: IC3.38 U10.3
CLK_MAIN_P<5>: IC3.42 U9.3
CLK_MAIN_P<6>: IC3.45 U8.3
CLK_MAIN_P<7>: IC3.51 U7.3
CLK_MAIN_P<8>: IC3.54 J10.G2
CLK_RST_B: IC3.6 IC23.1 R9.2(B<0>)
CLK_SI_N<0>: C22.1 IC3.64 R13.2(B<0>)
CLK_SI_N<1>: C24.1 IC3.2 R14.2(B<0>)
CLK_SI_N<2>: C26.1 IC3.15 R15.2(B<0>)
CLK_SI_N<3>: C28.1 IC3.62 R16.2(B<0>)
CLK_SI_P<0>: C21.1 IC3.63 R13.1
CLK_SI_P<1>: C23.1 IC3.1 R14.1
CLK_SI_P<2>: C25.1 IC3.14 R15.1
CLK_SI_P<3>: C27.1 IC3.61 R16.1
DP0_C2M_N: J10.C3
DP0_C2M_P: J10.C2
FMC_LA_N<2>: J10.H8 U3.2
FMC_LA_N<3>: IC4.9 J10.G10 R61.1
FMC_LA_N<4>: J10.H11 U4.2
FMC_LA_N<5>: J10.D12
FMC_LA_N<6>: IC12.2 J10.C11 R137.1
FMC_LA_N<7>: J10.H14 U5.2
FMC_LA_N<8>: IC7.9 J10.G13 R73.1
FMC_LA_N<9>: IC18.2 J10.D15 R162.1
FMC_LA_N<10>: IC15.2 J10.C15 R147.1
FMC_LA_N<11>: J10.H17 U6.2
FMC_LA_N<12>: IC14.2 J10.G16 R142.1
FMC_LA_N<13>: J10.D18
FMC_LA_N<14>: IC17.2 J10.C19 R157.1
FMC_LA_N<15>: J10.H20 U10.2
FMC_LA_N<16>: J10.G19
FMC_LA_N<17>: J10.D21
FMC_LA_N<18>: IC19.2 J10.C23 R167.1
FMC_LA_N<19>: J10.H23 U9.2
FMC_LA_N<20>: J10.G22
FMC_LA_N<21>: J10.H26 U8.2
FMC_LA_N<22>: J10.G25
FMC_LA_N<23>: J10.D24
FMC_LA_N<24>: J10.H29 U7.2
FMC_LA_N<25>: J10.G28
FMC_LA_N<26>: J10.D27
FMC_LA_N<27>: IC21.8 J10.C27
FMC_LA_N<28>: IC5.9 J10.H32 R65.1
FMC_LA_N<29>: J10.G31
FMC_LA_N<30>: IC6.9 J10.H35 R69.1
FMC_LA_N<31>: IC16.2 J10.G34 R152.1
FMC_LA_N<32>: J10.H38
FMC_LA_N<33>: IC20.2 J10.G37 R172.1
FMC_LA_P<1>: IC21.7 J10.D8
FMC_LA_P<2>: J10.H7 U3.1
FMC_LA_P<3>: IC4.10 J10.G9 R61.2(B<0>)
FMC_LA_P<4>: J10.H10 U4.1
FMC_LA_P<5>: J10.D11
FMC_LA_P<6>: IC12.3 J10.C10 R136.1
FMC_LA_P<7>: J10.H13 U5.1
FMC_LA_P<8>: IC7.10 J10.G12 R73.2(B<0>)
FMC_LA_P<9>: IC18.3 J10.D14 R161.1
FMC_LA_P<10>: IC15.3 J10.C14 R146.1
FMC_LA_P<11>: J10.H16 U6.1
FMC_LA_P<12>: IC14.3 J10.G15 R141.1
FMC_LA_P<13>: J10.D17
FMC_LA_P<14>: IC17.3 J10.C18 R156.1
FMC_LA_P<15>: J10.H19 U10.1
FMC_LA_P<16>: J10.G18
FMC_LA_P<17>: J10.D20
FMC_LA_P<18>: IC19.3 J10.C22 R166.1
FMC_LA_P<19>: J10.H22 U9.1
FMC_LA_P<20>: J10.G21
FMC_LA_P<21>: J10.H25 U8.1
